# KiCad board PC110.kicad_pcb (continued)
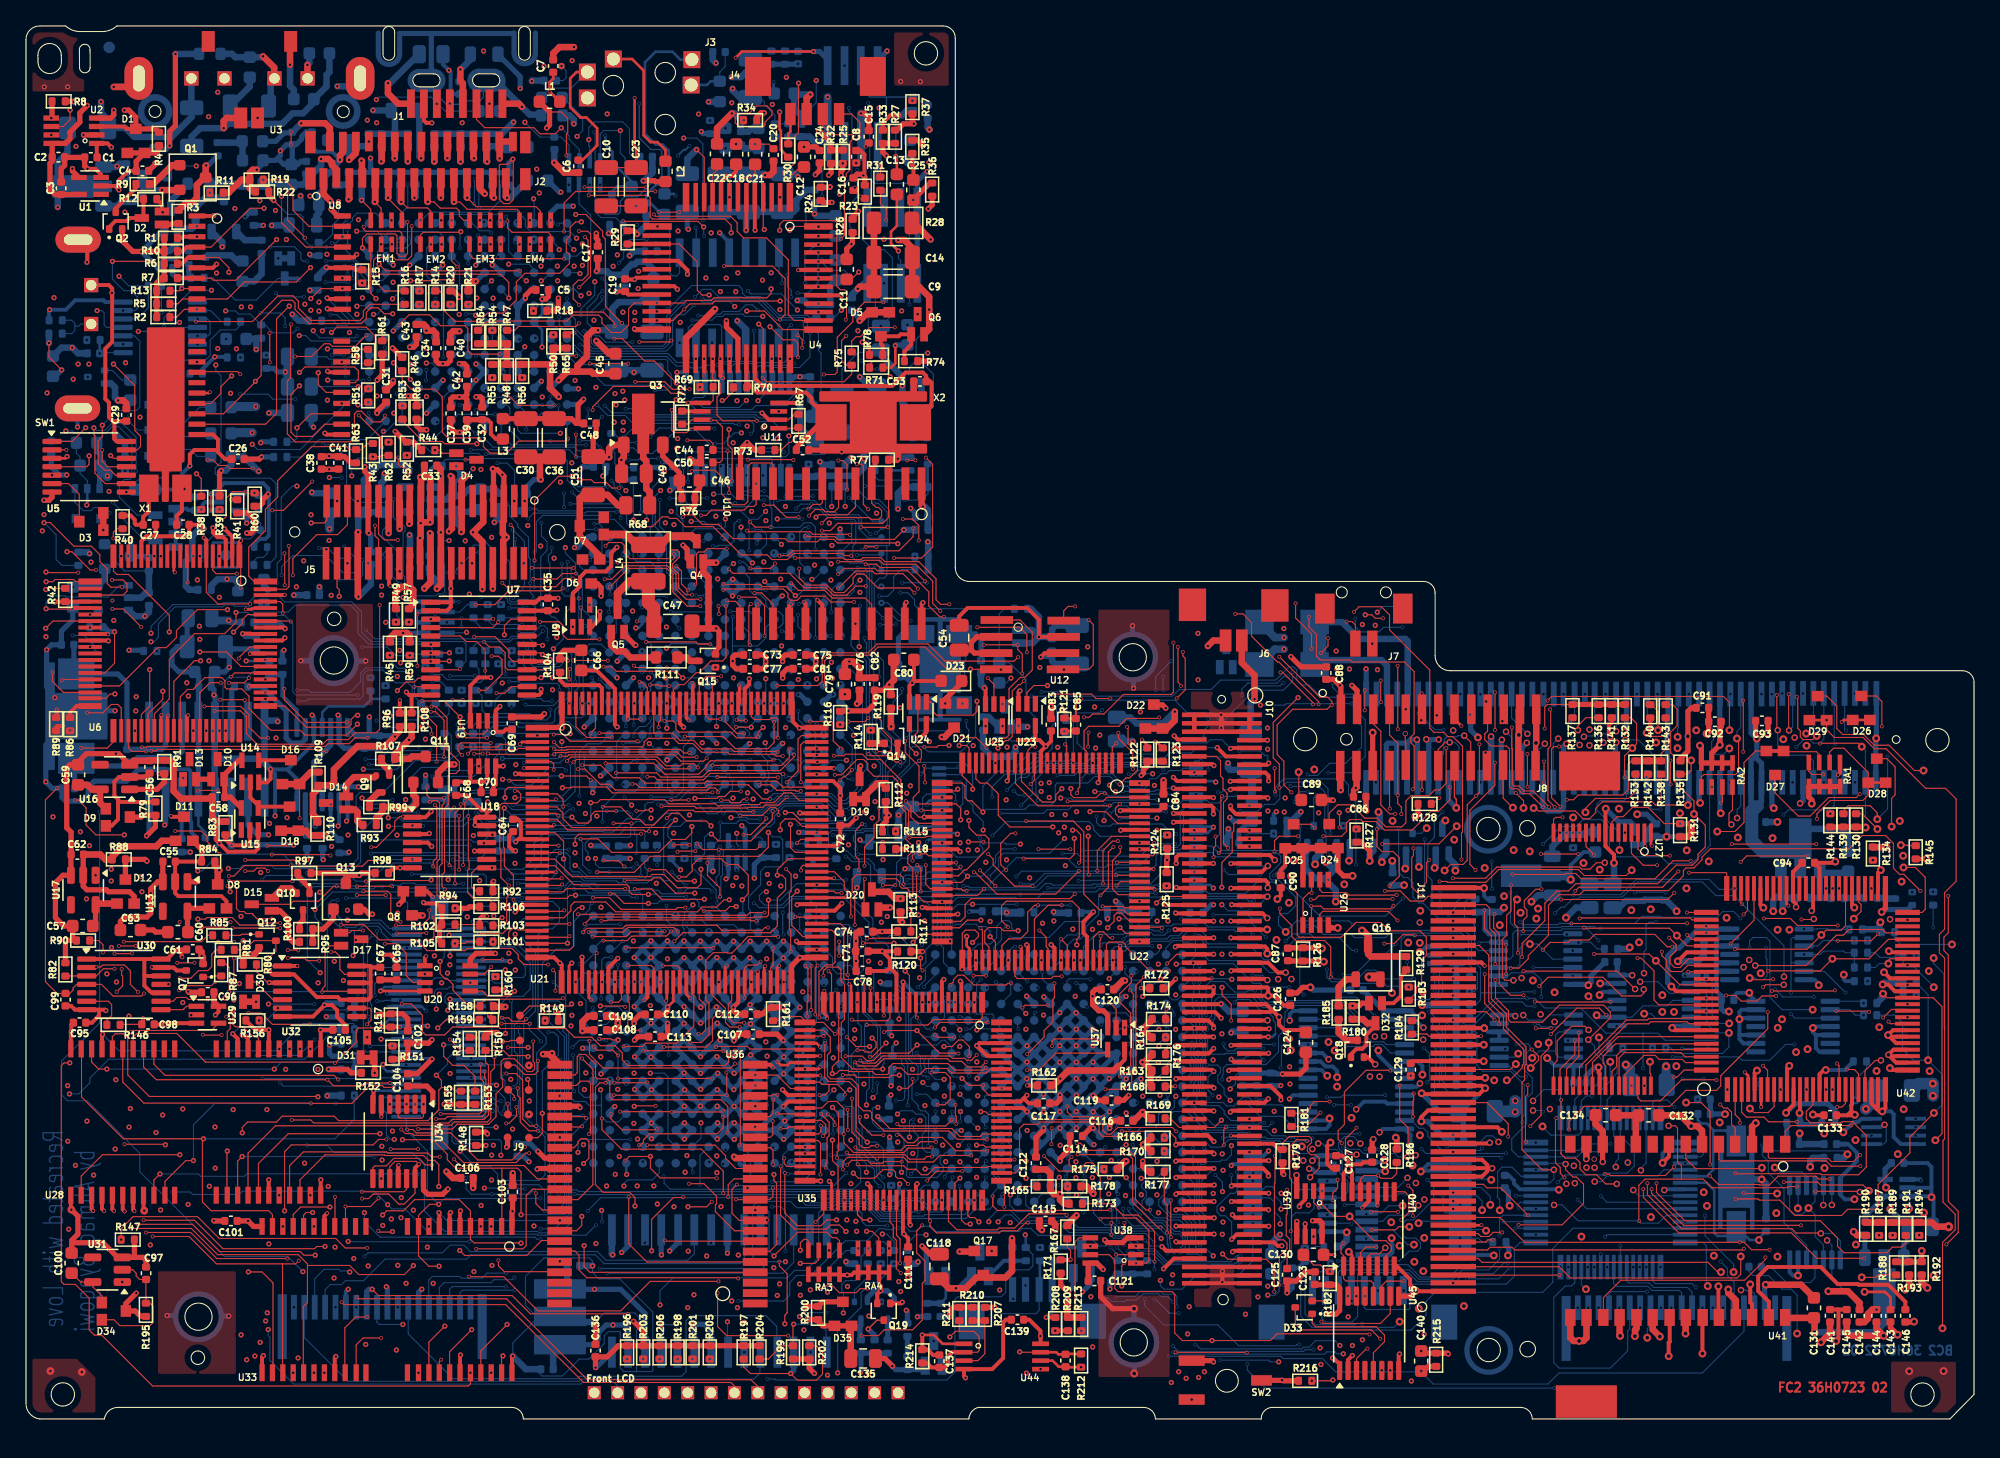
[diagram p0: board, top side]
## Routing (per net, layer and track width the routed paths; a pad name or vN(x,y) marks a point on that pad's centre or on a via; arc(x,y) is an arc through that point) (continued)
/PCMCIA/AWE#: length 14.4
  FC2 w0.3: v1(92.82,35.82) 92.83,35.81 J10.30
  BC1 w0.08: v7(85.81,35.29) 85.56,35.29 85.24,35.61 85.24,35.96 85.98,36.7 86.5,36.7 86.82,37.02 87.63,37.02 87.82,36.83 88.8,36.83 89.39,36.24 92.4,36.24 v1(92.82,35.82)
  BC2 w0.08: 82.73,34.54 83.17,34.98 83.68,34.98 83.9,35.2 85.72,35.2 v7(85.81,35.29)
/PCMCIA/AWP: length 39.9
  FC2 w0.2: R168.2 88.5,25.61 v3(88.53,25.64)
  FC2 w0.3: J10.66 93.02,12.96 v1(92.94,12.88)
  FC1 w0.08: v3(88.53,25.64) 89.56,25.64 90.44,24.76 90.44,20.33 90.87,19.9 91.97,19.9 92.21,19.66 v1(92.21,19.16)
  IC4 w0.08: v1(92.94,12.88) 92.2,13.62 91.88,13.62 91.87,13.63 91.27,13.63 90.95,13.95 90.95,18.23 91.32,18.6 91.65,18.6 v1(92.21,19.16)
  BC1 w0.08: v1(92.21,19.16) 92.21,19.63 92.55,19.97 92.96,19.97 93.3,20.31 93.3,21.42 93.23,21.49 93.23,27.1 93.07,27.26 92.36,27.26 91.97,26.87 91.97,26.72 91.59,26.34 90.35,26.34 89.86,26.83 85.51,26.83 84.88,27.46 v7(84.88,28.89)
  BC2 w0.08: 85.27,29.46 85.27,29.28 v7(84.88,28.89)
/PCMCIA/B5VDET: length 32.2
  FC2 w0.3: v1(91.46,42.81) J10.89
  IC3 w0.08: v1(91.46,42.81) 90.75,43.52 81.2,43.52 v1(79.99,44.73)
  BC1 w0.08: v7(73.55,33.86) 73.55,34.62 73.3,34.87 73.3,36.21 73.54,36.45 73.54,37.69 73.14,38.09 73.14,38.75 73.57,39.18 73.57,41.19 v7(74.18,41.8)
  BC2 w0.08: 73.84,31.97 73.84,32 73.23,32.61 73.23,33.54 v7(73.55,33.86) ; v1(79.99,44.73) 78.86,43.6 75.28,43.6 74.92,43.24 74.92,42.54 v7(74.18,41.8)
/PCMCIA/BBVD1: length 8.9
  FC2 w0.3: v1(88.58,17.32) 88.67,17.41 J10.129
  FC1 w0.08: v3(83.04,19.25) 83.04,19.02 v1(83.45,18.61) 83.99,18.07 87.85,18.07 88.58,17.34 v1(88.58,17.32)
  BC2 w0.08: 82.73,19.3 82.76,19.3 v1(83.45,18.61)
/PCMCIA/BBVD2: length 10.2
  FC2 w0.3: J10.127 88.64,18.66 v1(88.58,18.6)
  FC1 w0.08: v1(88.58,18.6) 88.12,19.06 88.12,20.2 v3(87.68,20.64)
  BC1 w0.08: v1(88.58,18.6) 88.24,18.26 88.02,18.26 87.64,17.88 85.15,17.88 84.86,18.17 83.37,18.17 v7(83.31,18.11)
  BC2 w0.08: v7(83.31,18.11) 83.23,18.03 82.73,18.03
/PCMCIA/BCA0: length 13.8
  FC2 w0.3: v1(91.52,18.03) 91.5,18.01 J10.128
  BC1 w0.08: v7(82.14,19.79) 82.14,19.47 82.83,18.78 82.83,17.97 83.04,17.76 83.69,17.76 83.88,17.95 84.74,17.95 85,17.69 87.81,17.69 88.15,18.03 v1(91.52,18.03)
  BC2 w0.08: 81.46,20.57 81.46,20.47 v7(82.14,19.79)
/PCMCIA/BCA1: length 14.8
  FC2 w0.08: v1(91.5,19.3) 91.49,19.31
  FC2 w0.3: 91.49,19.31 J10.126
  BC1 w0.08: 83.35,15.52 83.39,15.48 ; 83.35,15.52 83.44,15.43 87.42,15.43 88.04,16.05 88.04,16.24 88.37,16.57 90.21,16.57 90.52,16.26 v7(90.8,16.26) ; 83.35,15.52 v7(82.73,16.14)
  BC2 w0.08: v1(91.5,19.3) 90.56,18.36 90.56,16.5 v7(90.8,16.26) ; v7(82.73,16.14) 82.73,16.76
/PCMCIA/BCA2: length 11.9
  FC2 w0.3: v1(91.51,20.43) 91.38,20.56 J10.124
  BC1 w0.08: v7(83.14,20.97) 83.44,20.67 85.37,20.67 85.58,20.88 85.58,21.28 85.95,21.65 88.13,21.65 88.22,21.74 89.51,21.74 90.38,20.87 v7(90.74,20.87)
  BC2 w0.08: v1(91.51,20.43) 91.27,20.43 90.83,20.87 v7(90.74,20.87) ; 82.73,20.54 82.73,20.57 83.13,20.97 v7(83.14,20.97)
/PCMCIA/BCA3: length 39.6
  FC2 w0.3: J10.122 91.02,21.86 v1(91.5,21.38)
  IC4 w0.08: v1(91.5,21.38) 90.77,20.65 v1(90.77,3.64)
  BC1 w0.08: v7(84.13,15.15) 84.43,15.15 84.52,15.24 87.62,15.24 88.06,15.68 89.54,15.68 89.95,15.27 89.95,14.41 90.77,13.59 v1(90.77,3.64)
  BC2 w0.08: 84,16.76 84,15.28 v7(84.13,15.15)
/PCMCIA/BCA4: length 9.2
  FC1 w0.08: v1(84.74,18.6) 85.59,19.45 85.59,21.64 87.06,23.11 v3(89.99,23.11)
  BC2 w0.08: v1(84.74,18.6) 84.74,18.56 85.27,18.03
/PCMCIA/BCA5: length 7.6
  FC1 w0.08: v3(89.99,24.36) 87.97,24.36 v1(84.74,21.13)
  BC2 w0.08: 84,20.54 84,20.57 84.56,21.13 v1(84.74,21.13)
/PCMCIA/BCA6: length 60.8
  FC2 w0.08: v3(96.21,20.27) 96.21,18.19 96.16,18.14 96.16,14.08 96.44,13.8 96.87,13.8 97.13,13.54 97.13,13.13 96.54,12.54 v3(96.54,10.33)
  FC2 w0.3: J10.116 91.4,25.61 v1(91.5,25.51)
  FC1 w0.08: v1(96.49,4.4) 96.49,10.28 v3(96.54,10.33) ; v3(96.21,20.27) 96.21,21.02 95.76,21.47 94.62,21.47 93.46,22.63 93.46,24.77 93.23,25 92.47,25 91.96,25.51 v1(91.5,25.51)
  BC1 w0.08: v7(86.92,18.22) 87.63,18.22 88.43,19.02 89.3,19.02 89.85,18.47 91.8,18.47 92.83,17.44 93.46,17.44 93.89,17.87 93.89,18.4 94.14,18.65 94.66,18.65 94.82,18.49 94.82,17.67 93.75,16.6 93.75,15.46 93.02,14.73 91.99,14.73 91.64,15.08 90.28,15.08 90.12,14.92 90.12,14.5 90.94,13.68 90.94,7.16 91.98,6.12 v7(91.98,4.53)
  BC2 w0.08: v1(96.49,4.4) 95.87,4.4 95.84,4.43 95.81,4.43 95.71,4.53 v7(91.98,4.53) ; 86.54,18.03 86.73,18.22 v7(86.92,18.22) ; 86.76,18.22 86.54,18
/PCMCIA/BCA7: length 13.2
  FC2 w0.3: J10.114 91.36,26.91 v1(91.49,26.78)
  BC1 w0.08: v7(91.4,24.97) 91.4,24.36 91.08,24.04 91.08,22.87 90.65,22.44 88.01,22.44 87.47,21.9 85.71,21.9 85.26,21.45 v7(85.26,21.13)
  BC2 w0.08: v7(85.26,21.13) 85.27,21.12 85.27,20.54 ; v1(91.49,26.78) 91.05,26.34 91.05,25.32 v7(91.4,24.97)
/PCMCIA/BCA8: length 42.4
  FC2 w0.3: v1(87.84,39.63) 87.86,39.61 J10.94
  IC3 w0.08: v1(92.11,39.63) 91.69,40.05 88.23,40.05 87.84,39.66 v1(87.84,39.63)
  BC1 w0.08: v7(94.28,39.16) 94.28,38.37 95.05,37.6 95.05,35.3 95.15,35.2 95.15,33.69 95.5,33.34 96.43,33.34 97.13,32.64 97.71,32.64 98.06,32.99 98.55,32.99 99.13,32.41 99.13,21.68 v7(99.08,21.63) ; v7(92.18,21.67) 91.94,21.67 91.76,21.85 90.92,21.85 90.8,21.73 90.07,21.73 89.85,21.95 v7(87.92,21.95)
  BC2 w0.08: v7(87.92,21.95) 87.81,21.84 ; v7(94.28,39.16) 92.58,39.16 v1(92.11,39.63) ; v7(92.18,21.67) 92.41,21.67 92.46,21.72 95.47,21.72 95.59,21.6 96.8,21.6 97.03,21.37 98,21.37 98.08,21.45 98.47,21.45 98.51,21.41 98.86,21.41 v7(99.08,21.63)
/PCMCIA/BCA9: length 49.3
  FC2 w0.3: J10.92 88.65,40.91 v1(88.6,40.96)
  IC2 w0.08: v1(88.6,40.96) 79.1,40.96 77.56,39.42 77.56,24.65 77.25,24.34 72.63,24.34 v1(71.98,23.69)
  BC1 w0.08: v7(84.99,22.41) 84.38,21.79 78.1,21.79 77.67,22.22 77.67,22.49 77.48,22.68 74.35,22.68 74.17,22.86 72.44,22.86 72.37,22.93 v7(71.95,22.93)
  BC2 w0.08: v7(84.99,22.41) 84.99,22.83 85.24,23.08 85.27,23.08 ; v7(71.95,22.93) 71.98,22.96 v1(71.98,23.69)
/PCMCIA/BCA10: length 81.2
  FC1 w0.08: v1(87.11,45.36) 87.11,45.23 87.63,44.71 v3(89.99,44.71)
  BC1 w0.08: v7(106.41,34.35) 106.43,34.33 106.43,29.07 106.92,28.58 v7(107.68,28.58) ; v7(107.93,25.94) 107.93,24.59 107.72,24.38 107.06,24.38 106.49,24.95 v7(104.69,24.95) ; v7(89.84,24.17) 88.61,24.17 87.95,24.83 v7(87.95,24.95) ; v7(106.39,35.21) 105.13,36.47 105.13,38.1 103.61,39.62 103.61,41.17 102.49,42.29 101.86,42.29 101.86,42.3 101.39,42.77 101.39,44.22 v7(100.48,45.13) ; v7(100.2,24.79) 99.99,24.58 99.99,23.69 99.84,23.54 99.84,22.79 99.99,22.64 99.99,20.24 99.52,19.77 99.52,18.3 99.18,17.96 96.99,17.96 96.42,18.53 96.42,19.59 v7(96.6,19.77) ; v7(93.53,46.82) 92.46,46.82 91.97,47.31 89.4,47.31 88.63,48.08 88.16,48.08 87.5,47.42 87.5,45.75 v1(87.11,45.36) ; v7(95.37,22.82) 95.41,22.78 95.41,22.11 v7(96.41,21.11)
  BC2 w0.08: v7(104.69,24.95) 101.45,24.95 101.29,24.79 v7(100.2,24.79) ; v7(93.53,46.82) 94.86,46.82 95.4,47.36 96.15,47.36 96.58,47.79 96.58,48.53 97.12,49.07 99.78,49.07 100.29,48.56 100.29,45.57 100.48,45.38 v7(100.48,45.13) ; v7(96.6,19.77) 96.6,20.97 96.46,21.11 v7(96.41,21.11) ; v7(107.68,28.58) 108.1,28.16 108.1,26.11 v7(107.93,25.94) ; v7(106.39,35.21) 106.41,35.19 v7(106.41,34.35) ; v7(89.84,24.17) 89.94,24.17 91.46,22.65 93.52,22.65 93.59,22.72 94.95,22.72 95.05,22.82 v7(95.37,22.82) ; 87.81,24.38 87.95,24.52 v7(87.95,24.95)
/PCMCIA/BCA11: length 44
  FC1 w0.08: v3(89.99,42.16) 89.58,41.75 89.58,40.88 88.87,40.17 86.89,40.17 86.56,39.84 86.56,38.94 v1(87.13,38.37)
  BC1 w0.08: v7(97.82,21.67) 98.44,22.29 98.44,31.04 96.39,33.09 95.4,33.09 94.94,33.55 94.94,34.98 94.84,35.08 94.84,36.97 v7(94.5,37.31) ; v1(87.13,38.37) 87.55,38.79 88.13,38.79 88.38,38.54 v7(88.99,38.54)
  BC2 w0.08: v7(88.99,38.54) 90.43,38.54 91.06,37.91 93.9,37.91 v7(94.5,37.31) ; 87.81,23.11 88.4,23.7 89.41,23.7 90.85,22.26 93.74,22.26 93.78,22.3 95.5,22.3 95.98,21.82 96.99,21.82 97.14,21.67 v7(97.82,21.67)
/PCMCIA/BCA12: length 23.2
  FC2 w0.3: v1(91.48,28.55) 91.09,28.16 J10.112
  IC4 w0.08: v1(92.16,17.52) 92.16,18.15 93.23,19.22 93.23,22.79 93.77,23.33 93.77,25.98 93.26,26.49 93.26,28.12 93.02,28.36 92.61,28.36 92.42,28.55 v1(91.48,28.55)
  BC1 w0.08: v7(91.61,18.79) 91.19,18.79 90.86,19.12 90.86,19.71 90.4,20.17 89,20.17 88.88,20.29 88.34,20.29 87.27,19.22 v7(86.67,19.22)
  BC2 w0.08: 86.54,19.3 86.62,19.22 v7(86.67,19.22) 86.59,19.22 86.54,19.27 ; v1(92.16,17.52) 92.16,18.24 v7(91.61,18.79)
/PCMCIA/BCA13: length 75.1
  FC2 w0.3: v1(91.48,38.36) J10.96
  IC2 w0.08: v1(91.48,38.36) 90.84,38.36 90.74,38.26 90.74,35.82 91.42,35.14 93.17,35.14 93.47,34.84 95.34,34.84 96.29,33.89 v4(96.45,33.89)
  IC4 w0.08: v1(101.2,5.66) 101.2,7.19 100.74,7.65 100.74,20.87 100.98,21.11 100.98,21.65 99.7,22.93 99.7,33.33 99.24,33.79 98.47,33.79 97.99,33.31 97.03,33.31 v4(96.45,33.89)
  BC1 w0.08: v7(87.35,21.25) 88.09,21.25 88.41,21.57 89.2,21.57 v7(89.9,20.87) ; v7(90.06,5.73) 90.06,8.29 90.15,8.38 90.15,13.1 v7(90.44,13.39)
  BC2 w0.08: v7(90.06,5.73) 90.13,5.73 90.46,5.4 98.26,5.4 98.39,5.53 98.83,5.53 99.33,6.03 100.83,6.03 v1(101.2,5.66) ; v7(90.44,13.39) 90.76,13.71 90.76,15.35 90.19,15.92 90.19,18.82 89.9,19.11 v7(89.9,20.87) ; v7(87.35,21.25) 87.34,21.25 86.75,21.84 86.54,21.84
/PCMCIA/BCA14: length 40
  FC2 w0.3: v1(91.48,37.08) 91.46,37.06 J10.98
  IC2 w0.08: v1(91.48,37.08) 92.13,37.08 94.1,35.11 96.97,35.11 98.05,34.03 98.05,22.42 97.41,21.78 97.41,17.14 96.83,16.56 95.32,16.56 92.99,14.23 v1(92.15,14.23)
  BC1 w0.08: v7(90.42,14.64) 91.74,14.64 v1(92.15,14.23)
  BC2 w0.08: v7(90.42,14.64) 90.42,15.24 90.02,15.64 90.02,18.1 89.08,19.04 89.08,19.27
/PCMCIA/BCA15: length 17.4
  FC2 w0.3: v1(91.47,29.43) 91.44,29.46 J10.110
  BC1 w0.08: v7(91.05,24.71) 91.05,24.33 90.86,24.14 90.86,23.01 90.52,22.67 87.91,22.67 87.33,22.09 85.89,22.09 85.26,22.72 84.69,22.72 84.38,22.41 v7(84.38,22.22) ; v7(90.5,29.14) 90.79,29.43 v1(91.47,29.43)
  BC2 w0.08: v7(90.5,29.14) 90.51,29.13 90.51,28.73 90.66,28.58 90.66,27.94 90.48,27.76 90.48,25.63 90.37,25.52 90.37,25.19 90.55,25.01 90.75,25.01 v7(91.05,24.71) ; v7(84.38,22.22) 84,21.84
/PCMCIA/BCA16: length 37.4
  FC2 w0.08: v3(98.67,21.42) 98.57,21.52 97.87,21.52 97.35,21 97.35,18.61 97.48,18.48 97.48,14.53 v3(97.42,14.47)
  FC2 w0.3: J10.108 91.07,30.71 91.48,30.3 v1(91.48,30.12)
  FC1 w0.08: v1(91.48,30.12) 92.58,30.12 92.66,30.2 94.33,30.2 94.82,29.71 94.82,24.98 95.65,24.15 96.4,24.15 98.63,21.92 98.63,21.46 v3(98.67,21.42) ; v3(97.42,14.47) 97.42,13.31 96.14,12.03 91.98,12.03 91.98,12.04 v1(91.45,12.57)
  BC2 w0.08: v1(91.45,12.57) 90.91,13.11 90.21,13.11 90.1,13.22 90.1,15.11 89.08,16.13 89.08,16.76
/PCMCIA/BCA17: length 40.9
  FC2 w0.3: v1(88.55,39) 88.59,38.96 J10.95
  IC2 w0.08: v1(88.55,39) 93.79,39 93.95,39.16 97.19,39.16 97.6,38.75 97.6,34.88 98.23,34.25 98.23,21.65 v4(99.08,20.8)
  BC2 w0.08: v4(99.08,20.8) 98.73,20.45 98.13,20.45 97.87,20.71 97.28,20.71 96.56,21.43 95.12,21.43 95.01,21.54 92.65,21.54 92.06,20.95 91.27,20.95 90.99,21.23 89.23,21.23 89.08,21.08 89.08,20.54
/PCMCIA/BCA18: length 27.3
  FC2 w0.3: v1(88.52,37.72) 88.53,37.71 J10.97
  IC2 w0.08: v1(87.12,19.86) 86.71,20.27 84.38,20.27 82.76,21.89 82.76,34.31 86.17,37.72 v1(88.52,37.72)
  BC2 w0.08: v1(87.12,19.86) 87.12,19.88 87.81,20.57
/PCMCIA/BCA19: length 28.9
  FC2 w0.3: J10.99 88.61,36.46 v1(88.53,36.38)
  IC4 w0.08: v1(88.53,36.38) 87.91,35.76 87.91,35.09 86.64,33.82 86.64,30.82 86.81,30.65 86.81,29.75 87.34,29.22 89.24,29.22 89.66,28.8 89.66,22.4 90.21,21.85 91.85,21.85 92.14,21.56 v1(92.14,20.43)
  BC1 w0.08: v7(86.84,20.5) 89.19,20.5 89.3,20.39 90.62,20.39 91.01,20 91.72,20 92.14,20.42 v1(92.14,20.43)
  BC2 w0.08: 86.54,20.54 86.58,20.5 v7(86.84,20.5) 86.61,20.5 86.54,20.57
/PCMCIA/BCA20: length 61
  FC1 w0.08: v1(86.02,32.56) 86.76,33.3 87.62,33.3 88,33.68 88,34.01 88.16,34.17 88.21,34.17 88.33,34.29 89.05,34.29 v3(89.9,35.14)
  IC4 w0.08: v1(86.02,32.56) 85.43,31.97 85.43,30.03 86.42,29.04 86.42,25.93 86.77,25.58 87.85,25.58 88,25.43 88,24.2 87.8,24 87.8,21.09 88.14,20.75 88.14,14.52 88.37,14.29 88.74,14.29 89.05,13.98 89.05,13.45 88.92,13.32 88.92,10.26 88.64,9.98 88.64,6.46 88.22,6.04 88.22,3.52 89.03,2.71 89.83,2.71 v1(90.32,3.2)
  BC1 w0.08: v7(90.43,12.7) 90.43,4.57 89.97,4.11 89.97,3.55 v1(90.32,3.2)
  BC2 w0.08: v7(90.43,12.7) 89.48,12.7 89.28,12.9 89.28,14.05 88.88,14.45 88.48,14.45 87.62,15.31 86.7,15.31 85.97,16.04 85.97,16.82 86.29,17.14 86.29,17.51 85.94,17.86 85.94,18.08 86.49,18.63 87.14,18.63 87.81,19.3
/PCMCIA/BCA21: length 73.9
  FC2 w0.08: v3(102.48,22.44) 102.48,22.42 101.63,21.57 101.63,20.63 101.89,20.37 v4(102.48,20.37)
  FC2 w0.2: v3(91.33,33.96) 91.28,33.91 J10.103
  FC1 w0.08: v3(102.48,22.44) 100.05,22.44 99.27,23.22 99.27,31.31 97.46,33.12 95.01,33.12 93.16,34.97 91.32,34.97 91.06,34.71 91.06,34.23 v3(91.33,33.96)
  IC4 w0.08: v1(101.47,5.02) 101.72,5.27 101.72,6.59 102.51,7.38 102.51,20.34 v4(102.48,20.37)
  BC1 w0.08: v7(88.33,5.13) 87.96,5.5 87.96,7.35 86.61,8.7 86.61,12.61 86.54,12.68 86.54,14.12 86.8,14.38 89.24,14.38 v7(89.48,14.62)
  BC2 w0.08: v7(89.48,14.62) 89.48,15.1 89.03,15.55 88.14,15.55 87.25,16.44 87.25,16.88 87.81,17.44 87.81,18.03 ; v1(101.47,5.02) 100.98,5.02 100.83,5.17 100.2,5.17 100.03,5 88.46,5 v7(88.33,5.13)
/PCMCIA/BCA22: length 14.2
  FC1 w0.08: v3(89.99,30.11) 89.4,29.52 88.26,29.52 87.77,30.01 v1(87.27,30.01)
  IC2 w0.08: v1(88.57,24.87) 87.86,25.58 87.86,29.42 v1(87.27,30.01)
  BC2 w0.08: 85.27,21.84 85.9,22.47 86.97,22.47 87.23,22.73 87.23,23.44 87.59,23.8 88.23,23.8 88.45,24.02 88.45,24.75 v1(88.57,24.87)
/PCMCIA/BCA23: length 31.9
  FC2 w0.3: v1(88.56,28.74) 88.63,28.81 J10.111
  IC4 w0.08: v1(88.56,28.74) 89.45,27.85 89.45,14.88 89.95,14.38 89.95,9 v1(89.6,8.65)
  BC1 w0.08: v1(89.6,8.65) 89.6,9.23 89.91,9.54 89.91,13.47 89.79,13.59 v7(89.79,13.93)
  BC2 w0.08: v7(89.79,13.93) 89.79,15.11 89.16,15.74 88.22,15.74 87.81,16.15 87.81,16.76
/PCMCIA/BCA24: length 33.5
  FC2 w0.3: v1(88.57,27.49) 88.64,27.56 J10.113
  IC2 w0.08: v1(88.57,27.49) 88.13,27.93 88.13,29.93 87.64,30.42 86.5,30.42 86.48,30.41 85.76,30.41 84.07,28.72 84.07,22.73 85.02,21.78 92.13,21.78 v1(92.85,21.06)
  BC1 w0.08: v7(90.36,19.61) 89.63,19.61 89.44,19.42 88.16,19.42 87.65,18.91 86.22,18.91 v7(85.89,19.24)
  BC2 w0.08: v7(85.89,19.24) 85.83,19.3 85.27,19.3 ; v1(92.85,21.06) 92.85,20.35 92.45,19.95 92.08,19.95 91.96,19.83 91,19.83 90.78,19.61 v7(90.36,19.61)
/PCMCIA/BCA25: length 41.8
  FC2 w0.3: J10.115 88.62,26.26 v1(88.57,26.21)
  IC4 w0.08: v1(88.57,26.21) 89.25,25.53 89.25,14.55 89.78,14.02 89.78,9.56 88.9,8.68 88.9,4.66 89.37,4.19 89.37,3.14 v1(89.36,3.13)
  BC1 w0.08: v1(89.36,3.13) 89.36,5.08 89.08,5.36 89.08,7.17 89.21,7.3 89.21,9.28 89.61,9.68 89.61,13.01 v7(89.6,13.02)
  BC2 w0.08: 86.54,16.76 86.54,15.92 86.97,15.49 87.84,15.49 88,15.33 88.87,15.33 89.13,15.07 89.13,14.51 89.46,14.18 89.46,13.81 89.6,13.67 v7(89.6,13.02)
/PCMCIA/BCD0: length 12.5
  FC2 w0.3: v1(91.5,16.76) J10.130
  BC1 w0.08: v7(90.87,16.74) 90.23,16.74 90.15,16.82 87.74,16.82 87.23,16.31 86.76,16.31 86.59,16.14 85.69,16.14 85.25,15.7 83.65,15.7 82.65,16.7 v7(82.05,16.7)
  BC2 w0.08: v7(82.05,16.7) 82.01,16.74 U74.A10 ; v1(91.5,16.76) 91.48,16.74 v7(90.87,16.74)
/PCMCIA/BCD1: length 18.3
  FC2 w0.3: v1(91.52,15.49) 91.5,15.51 J10.132
  BC1 w0.08: v7(90.36,19.22) 88.31,19.22 87.61,18.52 86.75,18.52 86.32,18.09 85.48,18.09 85.21,18.36 85.21,18.79 84.73,19.27 83.31,19.27 82.45,20.13 81.92,20.13 81.53,19.74 v7(81.53,18.7)
  BC2 w0.08: v7(81.53,18.7) 81.46,18.77 81.46,19.3 ; v7(90.36,19.22) 90.37,19.21 90.37,16.12 91,15.49 v1(91.52,15.49)
/PCMCIA/BCD1#: length 47.3
  FC2 w0.3: v1(88.43,51.68) 88.46,51.71 J10.75
  BC1 w0.08: v7(90.39,34.35) 90.39,33.63 v7(90.38,33.62) ; v7(90.73,30.33) 90.46,30.33 90.13,30 89.96,30 89.2,29.24 v7(89.2,28.74) ; v7(89.65,39) 89.65,37.73 v7(90.07,37.31) ; v7(90.4,34.91) 89.73,34.91 v7(89.52,35.12) ; v1(88.43,51.68) 89.05,51.68 89.4,51.33 89.4,49.47 89.79,49.09 90.72,49.09 91.15,48.65 91.99,48.65 93.02,47.62 94.14,47.62 94.74,47.02 94.74,44.36 95.22,43.88 96.31,43.88 96.55,43.64 97.75,43.64 99.06,42.33 99.06,37.76 v7(98.36,37.06)
  BC2 w0.08: 89.08,28.19 89.2,28.31 v7(89.2,28.74) ; v7(98.36,37.06) 97.87,37.06 96.19,35.38 95.37,35.38 94.39,36.36 91.01,36.36 90.67,36.7 90.67,37.05 90.41,37.31 v7(90.07,37.31) 90.07,35.67 v7(89.52,35.12) ; v7(90.38,33.62) 90.38,32.59 90.58,32.39 90.58,30.97 90.73,30.82 v7(90.73,30.33) ; v7(90.4,34.91) 90.4,34.36 v7(90.39,34.35)
/PCMCIA/BCD2: length 15.6
  FC2 w0.3: J10.134 91.49,14.26 v1(91.51,14.24)
  IC1 w0.08: v1(91.51,14.24) 87.58,14.24 87.44,14.1 v1(87.44,13.91)
  BC1 w0.08: v7(80.29,17.31) 80.29,16.94 80.99,16.24 v7(82.24,16.24)
  BC2 w0.08: v1(87.44,13.91) 86.87,14.48 84.16,14.48 83.69,14.95 83.12,14.95 82.24,15.83 v7(82.24,16.24)
  BC2 w0.2: 80.19,18.03 80.19,18.02 80.29,17.92 v7(80.29,17.31)
/PCMCIA/BCD2#: length 21.2
  FC2 w0.08: R165.1 76.48,17.92 v1(75.83,17.27)
  FC2 w0.3: v1(87.63,11.57) 88.42,12.36 J10.137
  BC1 w0.08: v7(84.89,12.91) 84.89,13.6 84.27,14.22 82.62,14.22 82.48,14.36 80.53,14.36 v7(79.03,15.86)
  BC2 w0.08: v1(87.63,11.57) 87.63,11.87 86.78,12.72 85.51,12.72 85.32,12.91 v7(84.89,12.91) ; 78.92,16.74 79.03,16.64 v7(79.03,15.86) 79.02,15.87 78.08,15.87 77.95,16 76.25,16 75.78,16.47 75.78,17.22 v1(75.83,17.27)
/PCMCIA/BCD3: length 30.8
  FC2 w0.3: v1(88.44,52.64) 88.72,52.36 J10.74
  BC1 w0.08: v7(85.98,29.41) 85.54,29.41 85.06,29.89 85.06,31.48 85.17,31.59 85.17,32.71 85.68,33.22 v7(85.93,33.22) ; v1(88.44,52.64) 87.8,52 86.18,52 85.59,51.41 85.59,49.94 85.47,49.82 85.47,49.45 85.57,49.35 85.57,48.25 85.22,47.9 85.22,41.01 86.06,40.17 86.06,37.38 84.77,36.09 84.77,34.92 v7(84.66,34.81)
  BC2 w0.08: v7(85.98,29.41) 86.03,29.46 86.54,29.46 ; v7(84.66,34.81) 84.66,34.33 85.18,33.81 85.84,33.81 85.93,33.72 v7(85.93,33.22)
/PCMCIA/BCD4: length 55.9
  FC2 w0.08: v3(100.5,34.04) 100.5,36.39 100.02,36.87 97.81,36.87 97.5,37.18 97.5,38.03 96.58,38.95 v3(96.58,39.34) ; v3(92.6,44) 92.24,44.36 92.24,47.52 92.52,47.8 92.52,48.22 92.2,48.54 92.2,49.36 92.01,49.55 92.01,50.74 91.69,51.06 J10.76
  FC1 w0.08: v2(102.1,23.2) 101.31,23.99 100.1,23.99 99.52,24.57 99.52,33.37 100.19,34.04 v3(100.5,34.04) ; v3(96.58,39.34) 96.38,39.34 95.94,39.78 95.36,39.78 94.74,40.4 94.74,40.75 94.06,41.43 94.06,42.57 92.63,44 v3(92.6,44)
  IC1 w0.08: v1(92.76,24.55) 93.15,24.16 93.73,24.16 94.97,22.92 98.84,22.92 99.66,23.74 101.56,23.74 v2(102.1,23.2)
  BC1 w0.08: v7(90.99,27.28) 90.17,27.28 90.11,27.22 89.49,27.22 88.67,28.04 v7(88.11,28.04)
  BC2 w0.08: v7(88.11,28.04) 87.96,28.04 87.81,28.19 ; v7(90.99,27.28) 91,27.27 91.8,27.27 91.8,27.26 92,27.06 92,26.68 91.8,26.48 91.8,25.98 92.29,25.49 92.29,25.02 v1(92.76,24.55)
/PCMCIA/BCD5: length 39.5
  FC1 w0.08: v1(86.78,49.72) 88.03,49.72 88.25,49.94 88.56,49.94 88.69,49.81 v3(89.99,49.81)
  BC1 w0.08: v7(89.18,26.22) 89.18,26.18 88.81,25.81 85.64,25.81 85.39,26.06 85.39,26.34 85.1,26.63 84.32,26.63 82.66,28.29 82.66,29.3 82.42,29.54 81.93,29.54 81.74,29.73 81.74,30.71 82.59,31.56 82.59,32.81 82.36,33.04 82.36,34.61 83.73,35.98 83.99,35.98 85.41,37.4 85.41,40.41 83.4,42.42 83.4,43.81 84.75,45.16 84.75,47.35 84.93,47.53 v7(84.93,49.7)
  BC2 w0.08: v1(86.78,49.72) 86.31,49.72 86.04,49.99 85.71,49.99 85.42,49.7 v7(84.93,49.7) ; 89.08,26.92 89.08,26.32 v7(89.18,26.22)
/PCMCIA/BCD6: length 37.5
  FC2 w0.3: v1(88.38,48.62) 88.44,48.56 J10.80
  BC1 w0.08: v7(84.49,48.36) 84.49,47.89 83.8,47.2 83.8,45.82 81.93,43.95 81.93,41.3 83.76,39.47 83.76,37.74 83.46,37.44 82.85,37.44 81.82,36.41 81.82,36.12 81.44,35.74 81.44,33.05 81.34,32.95 81.34,29.59 81.6,29.33 81.6,26.14 81.97,25.77 84.02,25.77 84.13,25.66 85.49,25.66 85.75,25.4 v7(85.92,25.4)
  BC2 w0.08: v7(84.49,48.36) 86.92,48.36 87.03,48.47 87.81,48.47 87.95,48.61 88.37,48.61 v1(88.38,48.62) ; 86.54,26.92 86.54,26.31 85.92,25.69 v7(85.92,25.4)
/PCMCIA/BCD7: length 42.9
  FC2 w0.3: v1(91.46,46.62) 91.46,47.1 91.3,47.26 J10.82
  IC4 w0.08: v1(91.46,46.62) 91.86,46.62 92.06,46.82 93.26,46.82 94.92,45.16 94.92,33.61 95.48,33.05 96.15,33.05 97.83,31.37 97.83,30.56 97.29,30.02 v2(97.29,29.29)
  BC1 w0.08: v7(96,22.83) 95.67,23.16 95.67,23.83 96.17,24.33 96.17,26.6 v7(96.64,27.07) ; v7(89.83,23.72) 87.66,23.72 86.66,24.72 v7(86.66,25.39)
  BC2 w0.08: 86.54,25.65 86.66,25.53 v7(86.66,25.39) 86.66,25.5 86.54,25.62 ; v7(96,22.83) 95.71,22.54 93.71,22.54 93.62,22.45 91.1,22.45 v7(89.83,23.72) ; v2(97.29,29.29) 96.7,28.7 96.7,27.13 v7(96.64,27.07)
/PCMCIA/BCD8: length 11.4
  FC2 w0.3: v1(88.58,16.11) 88.63,16.16 J10.131
  IC2 w0.08: v1(88.58,16.11) 87.72,15.25 87.02,15.25 86.83,15.44 83.34,15.44 81.52,17.26 v1(80.92,17.26)
  BC2 w0.08: 81.46,18.03 81.46,17.53 81.19,17.26 v1(80.92,17.26)
/PCMCIA/BCD9: length 10.8
  FC2 w0.3: v1(88.58,14.86) J10.133
  BC1 w0.08: v7(81.45,15.91) 82.03,15.91 83.12,14.82 86.57,14.82 86.83,14.56 87.55,14.56 87.85,14.86 v1(88.58,14.86)
  BC2 w0.08: U74.A9 80.79,16.15 81.2,16.15 81.44,15.91 v7(81.45,15.91)
/PCMCIA/BCD10: length 15
  FC2 w0.3: J10.135 88.63,13.61 v1(88.58,13.66)
  IC4 w0.08: v1(85.9,18.54) 85.4,18.04 85.4,16.62 86.81,15.21 86.99,15.21 88.54,13.66 v1(88.58,13.66)
  BC1 w0.08: v7(80.26,20.06) 80.52,20.32 82.55,20.32 83.43,19.44 85,19.44 v1(85.9,18.54)
  BC2 w0.08: 80.19,20.57 80.19,20.13 v7(80.26,20.06)
/PCMCIA/BCD11: length 38.2
  FC2 w0.3: v1(91.5,50.35) 91.39,50.46 J10.77
  IC4 w0.08: v1(91.5,50.35) 89.65,52.2 88.1,52.2 87.56,52.74 85.08,52.74 84.37,52.03 84.37,48.09 83.48,47.2 83.48,43.24 81.66,41.42 81.66,31.02 82.02,30.66 82.84,30.66 84.61,28.89 v1(85.96,28.89)
  BC2 w0.08: 86.54,28.19 86.54,28.27 85.96,28.85 v1(85.96,28.89)
/PCMCIA/BCD12: length 29.7
  FC2 w0.3: J10.79 88.66,49.16 v1(88.38,49.44)
  IC4 w0.08: v1(87.22,26.22) 86.64,26.8 86.64,30.46 86.44,30.66 86.44,33.96 86.58,34.1 86.58,38.64 87.07,39.13 87.92,39.13 89.78,40.99 89.78,44.41 89.14,45.05 88.53,45.05 87.57,46.01 87.57,48.43 88,48.86 88,49.06 v1(88.38,49.44)
  BC2 w0.08: 87.81,26.92 87.22,26.33 v1(87.22,26.22)
/PCMCIA/BCD13: length 91.1
  FC2 w0.3: v1(91.46,47.88) 91.43,47.91 J10.81
  IC4 w0.08: v1(91.46,47.88) 92.89,47.88 95.1,45.67 95.1,33.76 95.61,33.25 96.36,33.25 99.43,30.18 99.43,22.28 100.04,21.67 100.04,9.48 99.84,9.28 99.84,7.64 100.28,7.2 100.28,5.25 99.74,4.71 v1(99.74,4.2)
  BC1 w0.08: v1(99.74,4.2) 99.27,4.2 98.77,4.7 98.77,5.57 99.25,6.05 99.25,10.13 99.56,10.44 99.56,15.5 99.33,15.73 97.95,15.73 97.06,16.62 96.7,16.62 96.17,17.15 96.17,19.8 96.88,20.51 96.88,21.5 96.81,21.57 96.81,23.4 97.83,24.42 97.83,27.4 97.51,27.72 96.82,27.72 95.93,28.61 95.39,28.61 v7(95.31,28.53) ; v7(92.25,28.9) 91.87,28.9 91.77,29 91.31,29 91.14,28.83 90.37,28.83 90.21,28.99 v7(89.82,28.99)
  BC2 w0.08: 89.08,25.65 89.54,25.65 89.71,25.82 89.71,25.94 89.96,26.19 89.96,27.64 89.72,27.88 89.72,28.56 89.82,28.66 v7(89.82,28.99) ; v7(92.25,28.9) 92.25,28.67 92.56,28.36 93.05,28.36 93.22,28.53 v7(95.31,28.53)
/PCMCIA/BCD14: length 27.9
  FC2 w0.3: J10.83 88.4,46.66 v1(88.39,46.67)
  IC4 w0.08: v1(88.39,46.67) 89.17,46.67 91,44.84 91,28.1 v1(91.44,27.66)
  BC1 w0.08: v7(89.65,27.54) 89.77,27.66 v1(91.44,27.66) ; v7(88.38,25.48) 89.15,25.48 89.58,25.91 v7(89.58,26.21)
  BC2 w0.08: v7(88.38,25.48) 88.23,25.63 U74.H15 87.81,25.64 87.81,25.65 ; v7(89.65,27.54) 89.65,27.33 89.73,27.25 89.73,26.58 89.58,26.43 v7(89.58,26.21)
/PCMCIA/BCD15: length 36.1
  FC1 w0.08: v3(89.99,45.36) 88.05,45.36 v1(87.11,46.3)
  BC1 w0.08: v7(84.24,46.27) 84.24,45.93 82.98,44.67 v7(82.98,43.83) ; v7(86.46,24.31) 86.04,24.31 85.75,24.02 85.39,24.02 85.03,24.38 84.76,24.38 83.76,25.38 81.1,25.38 80.48,26 80.48,28.15 80.21,28.42 80.21,34.2 80.29,34.28 80.29,38.13 80.74,38.58 80.74,43.13 v7(81.43,43.82)
  BC2 w0.08: 86.54,24.38 86.47,24.31 v7(86.46,24.31) ; v1(87.11,46.3) 87.08,46.27 v7(84.24,46.27) ; v7(81.43,43.82) 82.97,43.82 v7(82.98,43.83)
/PCMCIA/BCE1#: length 35.1
  FC2 w0.3: v1(88.39,45.98) 88.42,46.01 J10.84
  BC1 w0.08: v1(88.39,45.98) 87.52,45.11 87.52,44.51 88.55,43.48 92.92,43.48 93.77,42.63 93.77,39.95 93.96,39.76 93.96,37.1 94.63,36.43 94.63,34.89 94.75,34.77 94.75,34.04 94.66,33.95 v7(94.66,33.01) ; v7(90.91,31.11) 90.49,31.11 v7(90.08,30.7)
  BC2 w0.08: v7(94.66,33.01) 94.09,33.01 93.98,32.9 93.11,32.9 92.3,33.71 91.21,33.71 90.91,33.41 v7(90.91,31.11) ; v7(90.08,30.7) 90.12,30.66 90.12,29.99 90.19,29.92 90.19,29.29 90.16,29.26 90.16,28.72 89.96,28.52 89.96,27.94 90.13,27.77 90.13,26.07 89.95,25.89 89.95,25.25 89.08,24.38
/PCMCIA/BCE2#: length 33.2
  FC1 w0.08: v1(92.11,38.36) 92.53,38.78 93.22,38.78 93.73,39.29 93.73,40.93 92.18,42.48 92.18,43.76 91.93,44.01 90.16,44.01 90.11,44.06 v3(89.99,44.06)
  IC4 w0.08: v1(92.12,35.81) 92.12,38.35 v1(92.11,38.36)
  BC1 w0.08: v1(92.12,35.81) 92.58,35.35 93.31,35.35 93.82,34.84 93.82,33.82 93.98,33.66 93.98,32.15 94.83,31.3 94.83,29.91 94.63,29.71 94.63,25.49 94.46,25.32 94.46,23.46 94.18,23.18 v7(94.18,22)
  BC2 w0.08: 89.08,23.11 89.65,22.54 90.22,22.54 90.69,22.07 94.11,22.07 v7(94.18,22)
/PCMCIA/BCIORD#: length 25.8
  FC1 w0.08: v1(87.96,38.37) 87.96,39.05 88.43,39.52 89.35,39.52 89.99,40.16 v3(89.99,41.51)